# Altium PCB PCB_v3.PcbDoc (part 6 of 7) (continued)
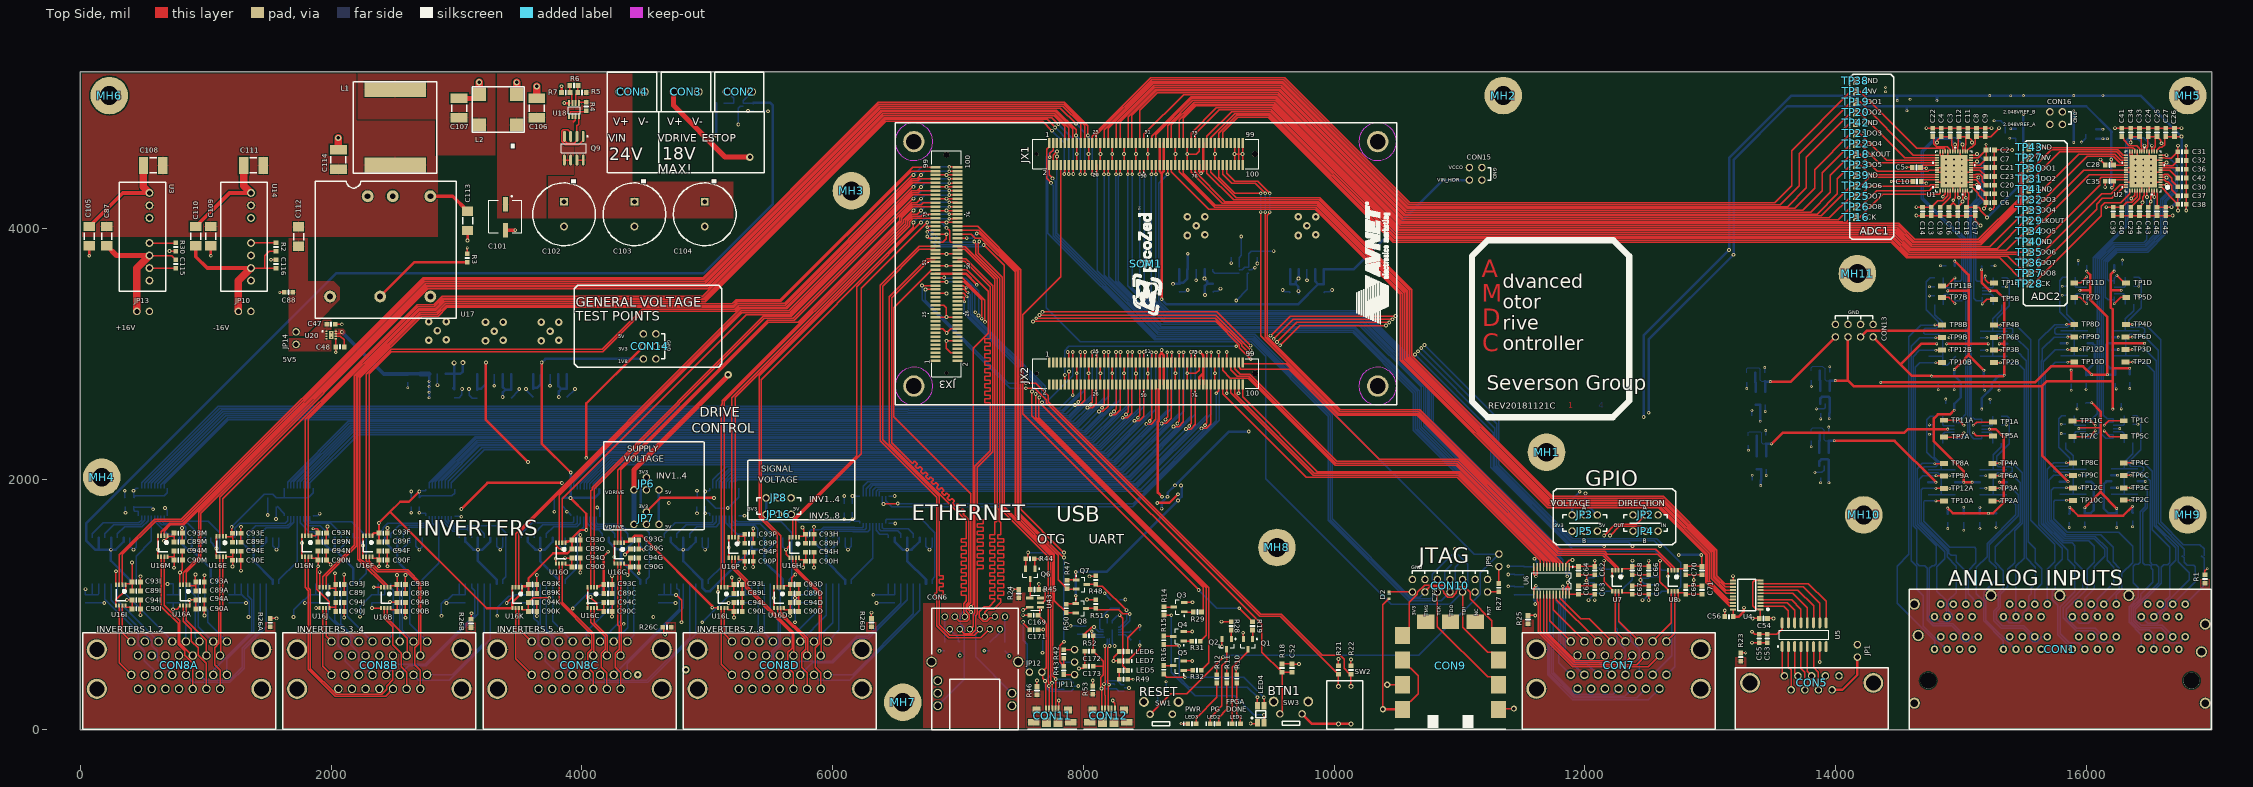
[diagram p0: Top Side view]
## Nets (pads, with @x,y where several pads share a name; then routed paths per layer and width w, separated by ;. In a path a pad name is that pad's centre, name@x,y a point inside that pad or via, vN(x,y) a via of type N, cw(c..) or ccw(c..) an arc to the next point about the centre after c; other vN are vias at no path point) (continued)
  Bottom Side w10: U13B.8@5199.16,1927.6 5199.16,1975.34 5233.92,2010.1 8366.67,2010.1 8858.26,2501.69 v1(8858.26,3015)
LV_R\S\T\1: SOM1.JX1-19 U16I.2 | length 9617.1
  Top Side w10: U16I.2@334.41,1157.87 334.41,1400.19 599.22,1665 811.81,1665 2740.63,3593.81 4972.3,3593.81 6368.37,4989.89 7843.31,4989.89 8010.12,4823.08 SOM1.JX1-19@8010.12,4680
LV_R\S\T\2: SOM1.JX1-24 U16I.3 | length 10013.1
  Top Side w10: U16I.3@308.82,1157.87 308.82,1395.81 593.01,1680 805.6,1680 2734.41,3608.81 4966.09,3608.81 6362.16,5004.89 7849.53,5004.89 8036.12,4818.29 v1(8036.12,4741) ; v1(8073.11,4432.37) SOM1.JX1-24@8073.11,4506.77
  Bottom Side w10: v1(8036.12,4741) 8073.11,4704.01 v1(8073.11,4432.37)
LV_R\S\T\3: SOM1.JX3-99 U16J.2 | length 7095.9
  Top Side w10: U16J.2@1959.41,1137.87 1959.41,1226.05 2198.23,1464.87 2198.23,2819.65 2709.95,3331.37 2841.16,3331.37 2909.79,3400 5199.29,3400 5232.29,3433 5581.79,3433 6638.33,4489.54 SOM1.JX3-99@6821.69,4489.54
LV_R\S\T\4: SOM1.JX1-10 U16J.3 | length 8688.8
  Top Side w10: U16J.3@1933.82,1137.87 1933.82,1221.68 2183.23,1471.09 2183.23,2825.86 2703.74,3346.37 2834.95,3346.37 2903.58,3415 4984.41,3415 6424.29,4854.89 7675.11,4854.89 v1(7750,4780) ; v1(7848.13,4435) 7850.39,4437.25 7850.39,4504.52 SOM1.JX1-10@7852.64,4506.77
  Bottom Side w10: v1(7750,4780) 7848.13,4681.87 v1(7848.13,4435)
LV_R\S\T\5: SOM1.JX3-94 U16K.2 | length 5102.6
  Top Side w10: U16K.2@3496.48,1137.87 3496.48,1569.91 5269.57,3343 5651.44,3343 6640.5,4332.06 v1(6645,4332.06) ; v1(6930,4397.3) 6931.13,4396.17 6993.8,4396.17 SOM1.JX3-94@6994.92,4395.05
  Bottom Side w10: v1(6645,4332.06) 6710.24,4397.3 v1(6930,4397.3)
LV_R\S\T\6: SOM1.JX3-91 U16K.3 | length 4937.4
  Top Side w10: U16K.3@3470.89,1137.87 3470.89,1565.53 5263.36,3358 5635.58,3358 6641.14,4363.56 SOM1.JX3-91@6821.69,4363.56
LV_R\S\T\7: SOM1.JX3-82 U16L.2 | length 4010.7
  Top Side w10: U16L.2@5136.09,1137.87 5136.09,2620.77 6566,4050.69 6566,4068.59 6640.5,4143.09 v1(6645,4143.09) ; v1(6930,4208.32) 6931.13,4207.2 6993.8,4207.2 SOM1.JX3-82@6994.92,4206.07
  Bottom Side w10: v1(6645,4143.09) 6710.24,4208.32 v1(6930,4208.32)
LV_R\S\T\8: SOM1.JX3-79 U16L.3 | length 3851.3
  Top Side w10: U16L.3@5110.5,1137.87 5110.5,2590.5 5121.09,2601.09 5121.09,2626.99 6551,4056.9 6551,4084.44 6641.14,4174.58 SOM1.JX3-79@6821.69,4174.58
LV_RDY1: SOM1.JX1-9 U16E.2 | length 8449.5
  Top Side w10: U16E.2@1136.18,1545.77 1136.18,1842.45 2685.1,3391.37 2816.31,3391.37 2884.94,3460 4965.77,3460 6405.65,4899.89 7767.29,4899.89 7852.64,4814.54 SOM1.JX1-9@7852.64,4680
LV_RDY2: SOM1.JX1-11 U16E.3 | length 8521.9
  Top Side w10: U16E.3@1110.59,1545.77 1110.59,1857.71 2771.69,3518.81 5003.36,3518.81 6399.44,4914.89 7773.51,4914.89 7884.13,4804.26 SOM1.JX1-11@7884.13,4680
LV_RDY3: SOM1.JX3-93 U16F.2 | length 6454.1
  Top Side w10: U16F.2@2304.41,1547.87 2304.41,2840.97 2480,3016.56 4166.56,3016.56 4490,3340 5224.14,3340 5257.14,3373 5629.37,3373 6636.92,4380.56 6680.22,4380.56 6694.72,4395.05 SOM1.JX3-93@6821.69,4395.05
LV_RDY4: SOM1.JX3-98 U16F.3 | length 6676.4
  Top Side w10: U16F.3@2278.82,1547.87 2278.82,2836.6 2480,3037.78 4162.78,3037.78 4480,3355 5217.93,3355 5250.93,3388 5623.16,3388 6630.71,4395.56 6674.01,4395.56 v1(6705,4426.54) ; v1(6930,4455.79) 6931.13,4456.91 6993.8,4456.91 SOM1.JX3-98@6994.92,4458.04
  Bottom Side w10: v1(6705,4426.54) 6734.24,4455.79 v1(6930,4455.79)
LV_RDY5: SOM1.JX3-81 U16G.2 | length 3993.1
  Top Side w10: U16G.2@4309.94,1492.87 4309.94,2075.71 5487.23,3253 5725.89,3253 6536,4063.11 6536,4090.65 6635.93,4190.58 6706.06,4190.58 6721.56,4206.07 SOM1.JX3-81@6821.69,4206.07
LV_RDY6: SOM1.JX3-86 U16G.3 | length 4199.4
  Top Side w10: U16G.3@4284.35,1492.87 4284.35,2071.34 5481.02,3268 5692.13,3268 6629.71,4205.58 6673.01,4205.58 v1(6705,4237.57) ; v1(6930,4266.81) 6931.13,4267.94 6993.8,4267.94 SOM1.JX3-86@6994.92,4269.06
  Bottom Side w10: v1(6705,4237.57) 6734.24,4266.81 v1(6930,4266.81)
LV_RDY7: SOM1.JX3-62 U16H.2 | length 3296.3
  Top Side w10: U16H.2@5706.94,1537.43 5706.94,1679.16 6230.15,2202.37 6230.15,3523.74 v1(6755,4048.59) ; v1(6908.31,4005) 6933.31,3980 6933.31,3901.69 6943.89,3891.11 SOM1.JX3-62@6994.92,3891.11
  Bottom Side w10: v1(6755,4048.59) 6864.71,4048.59 v1(6908.31,4005)
LV_RDY8: SOM1.JX3-74 U16H.3 | length 3238.1
  Top Side w10: U16H.3@5681.35,1537.43 5681.35,1674.79 6192.9,2186.33 6192.9,3536.49 v1(6705,4048.59) ; v1(6930,4077.84) 6931.13,4078.96 6993.8,4078.96 SOM1.JX3-74@6994.92,4080.09
  Bottom Side w10: v1(6705,4048.59) 6734.24,4077.84 v1(6930,4077.84)
LV_VCCIO_EN: SOM1.JX2-10 U34.3 | length 2281.8
  Top Side w10: SOM1.JX2-10@7852.64,2756.77 v1(7852.64,2831.54)
  Ground Layer w10: v1(9220,3060) v1(9220,3425)
  Bottom Side w10: v1(7852.64,2831.54) 7850,2834.17 7850,3025.36 7884.64,3060 v1(9220,3060) ; v1(9220,3425) 9308.78,3513.78 9308.78,3638.07 9311.65,3640.94 U34.3@9320.51,3640.94
NetC19_1: C19.1 U1.45 | length 164.4
  Top Side w10: C19.1@14835,4170 14915.47,4250.47 U1.45@14915.47,4301.04
NetC20_1: C20.1 U1.6 | length 180.1
  Top Side w10: U1.6@15081,4427.01 15118.02,4427.01 15123.34,4432.32 15150.36,4432.32 15169.09,4413.58 15169.09,4377.44 C20.1@15201.54,4345
NetC21_1: C21.1 U1.9 | length 120.7
  Top Side w10: U1.9@15081,4486.06 15201.06,4486.06 C21.1@15201.54,4486.54
NetC22_1: C22.1 U1.22 | length 228.6
  Top Side w10: C22.1@14775,4733.07 14785,4723.07 14785,4674.64 14806.61,4653.04 14890.93,4653.04 14914.47,4629.49 14914.47,4613.04 U1.22@14915.47,4612.04
NetC23_1: C23.1 U1.8 | length 141.8
  Top Side w10: U1.8@15081,4466.38 15150.16,4466.38 C23.1@15201.54,4415
NetC29_1: C29.1 U2.45 | length 160.2
  Top Side w10: C29.1@16355,4170 16425.47,4240.47 U2.45@16425.47,4301.04
NetC30_1: C30.1 U2.6 | length 195.5
  Top Side w10: U2.6@16591,4427.01 16623.02,4427.01 16628.34,4432.32 16650.36,4432.32 16684.1,4398.58 16684.1,4379.48 C30.1@16731.54,4332.04
NetC36_1: C36.1 U2.9 | length 146.3
  Top Side w10: U2.9@16591,4486.06 16591.63,4485.43 16718.14,4485.43 C36.1@16731.54,4472.04
NetC41_1: C41.1 U2.22 | length 213.4
  Top Side w10: C41.1@16285,4733.07 16298.7,4719.37 16298.7,4705.94 16344.64,4660 16403.04,4660 16425.47,4637.56 U2.22@16425.47,4612.04
NetC42_1: C42.1 U2.8 | length 167.2
  Top Side w10: U2.8@16591,4466.38 16667.19,4466.38 C42.1@16731.54,4402.04
NetC48_2: C48.2 U20.6 | length 133.8
  Top Side w10: U20.6@2037.4,3140.16 2073.65,3140.16 2103.46,3110.34 C48.2@2103.46,3055
NetC57_2: C57.2 CON6.12 | length 204.1
  Bottom Side w10: C57.2@6895,698.9 CON6.12@6895,903.03
NetC58_2: C58.2 CON6.6 | length 137.2
  Bottom Side w10: CON6.6@6935.08,803.03 7001.3,736.81 7001.3,712.6 C58.2@7015,698.9
NetC59_2: C59.2 CON6.1 | length 137.3
  Bottom Side w10: C59.2@7255,698.9 7327.35,771.24 7327.35,795.38 CON6.1@7335,803.03
NetC60_2: C60.2 CON6.7 | length 204.1
  Bottom Side w10: C60.2@7375,698.9 CON6.7@7375,903.03
NetC87_2: C87.2 C115.2 JP13.2 U3.6 | length 1082.4
  Top Side w10: U3.6@550,3783.81 726.93,3783.81 C115.2@760,3750.74
  Top Side w40: C87.2@210,3861.05 287.23,3783.81 U3.6@550,3783.81
  Top Side w60: JP13.2@450,3338.53 450,3683.81 U3.6@550,3783.81
NetC101_1: C101.1 C106.2 L2.1 Q9.5 Q9.6 U18.7 | length 105.5
  Top Side w10: Q9.5@3860.67,4545.64 Q9.6@3910.67,4545.64 ; 3931.4,4849.04 3946.76,4864.41 3946.76,4894.1 U18.7@3949.63,4896.97
NetC107_2: C107.2 L1.1 L2.4
NetC110_2: C110.2 C116.1 JP10.1 R2.1 U14.7 | length 1355.1
  Top Side w10: U14.7@1360,3683.81 1470,3683.81 ; C116.1@1560,3683.81 1470,3683.81 ; R2.1@1560,3818.53 1504.71,3818.53 1470,3783.81 1470,3683.81
  Top Side w30: C110.2@920,3861.05 920,3774.65 1010.83,3683.81 U14.7@1360,3683.81
  Top Side w60: JP10.1@1260,3338.53 1260,3583.81 U14.7@1360,3683.81
NetC170_2: C170.2 C171.2 JP12.2 | length 506
  Top Side w10: v1(7520,861.97) 7523.83,858.14 7523.83,847.71 C171.2@7571.54,800
  Bottom Side w10: v1(7520,861.97) C170.2@7520.04,715 7552.54,682.5 7552.54,490.99 7570,473.53 JP12.2@7570,460
NetC176_2: C176.2 R56.2 U44.9 | length 302.3
  Bottom Side w10: U44.9@8157.92,799.84 8157.01,800.75 8138.93,800.75 8130.2,809.48 8130.2,884.02 8204.01,957.83 8206.3,957.83 C176.2@8220,971.54 R56.2@8290,971.54
NetC181A_2: C181A.2 R57A.2 U46A.3 | length 162
  Bottom Side w10: U46A.3@15167.72,2424.9 15248.82,2424.9 C181A.2@15256.54,2432.62 R57A.2@15256.54,2502.62
NetC181B_2: C181B.2 R57B.2 U46B.3 | length 162
  Bottom Side w10: U46B.3@15171.72,3527.28 15252.82,3527.28 C181B.2@15260.54,3535 R57B.2@15260.54,3605
NetC181C_2: C181C.2 R57C.2 U46C.3 | length 162
  Bottom Side w10: U46C.3@16214.25,2429.54 16295.35,2429.54 C181C.2@16303.07,2437.26 R57C.2@16303.07,2507.26
NetC181D_2: C181D.2 R57D.2 U46D.3 | length 162
  Bottom Side w10: U46D.3@16223.82,3532.07 16304.92,3532.07 C181D.2@16312.64,3539.79 R57D.2@16312.64,3609.79
NetC182A_1: C182A.1 R58A.2 U46A.5 | length 165.9
  Bottom Side w10: U46A.5@15167.72,2373.72 15240.43,2373.72 C182A.1@15256.54,2357.62 R58A.2@15256.54,2287.22
NetC182B_1: C182B.1 R58B.2 U46B.5 | length 165.9
  Bottom Side w10: U46B.5@15171.72,3476.1 15244.43,3476.1 C182B.1@15260.54,3460 R58B.2@15260.54,3389.61
NetC182C_1: C182C.1 R58C.2 U46C.5 | length 165.9
  Bottom Side w10: U46C.5@16214.25,2378.36 16286.97,2378.36 C182C.1@16303.07,2362.26 R58C.2@16303.07,2291.86
NetC182D_1: C182D.1 R58D.2 U46D.5 | length 165.9
  Bottom Side w10: U46D.5@16223.82,3480.89 16296.54,3480.89 C182D.1@16312.64,3464.79 R58D.2@16312.64,3394.4
NetC185A_2: C185A.2 R59A.2 U46A.10 | length 170.3
  Bottom Side w10: R59A.2@14856.93,2287.22 C185A.2@14856.93,2359.31 14871.34,2373.72 U46A.10@14949.21,2373.72
NetC185B_2: C185B.2 R59B.2 U46B.10 | length 170.3
  Bottom Side w10: R59B.2@14860.93,3389.61 C185B.2@14860.93,3461.69 14875.34,3476.1 U46B.10@14953.21,3476.1
NetC185C_2: C185C.2 R59C.2 U46C.10 | length 170.3
  Bottom Side w10: R59C.2@15903.46,2291.86 C185C.2@15903.46,2363.95 15917.87,2378.36 U46C.10@15995.75,2378.36
NetC185D_2: C185D.2 R59D.2 U46D.10 | length 170.3
  Bottom Side w10: R59D.2@15913.03,3394.4 C185D.2@15913.03,3466.48 15927.44,3480.89 U46D.10@16005.31,3480.89
NetC186A_1: C186A.1 R60A.2 U46A.12 | length 165.5
  Bottom Side w10: R60A.2@14856.93,2502.62 C186A.1@14856.93,2432.62 14864.65,2424.9 U46A.12@14949.21,2424.9
NetC186B_1: C186B.1 R60B.2 U46B.12 | length 165.5
  Bottom Side w10: R60B.2@14860.93,3605 C186B.1@14860.93,3535 14868.65,3527.28 U46B.12@14953.21,3527.28
NetC186C_1: C186C.1 R60C.2 U46C.12 | length 165.5
  Bottom Side w10: R60C.2@15903.46,2507.26 C186C.1@15903.46,2437.26 15911.18,2429.54 U46C.12@15995.75,2429.54
NetC186D_1: C186D.1 R60D.2 U46D.12 | length 165.5
  Bottom Side w10: R60D.2@15913.03,3609.79 C186D.1@15913.03,3539.79 15920.75,3532.07 U46D.12@16005.31,3532.07
NetCON2_1: CON2.1 D1.5 R13.2 | length 187.8
  Bottom Side w10: R13.2@5133.46,5000.59 D1.5@5210.78,5000.59 5210.78,5039.22 CON2.1@5160,5090
NetCON10_2: CON10.2 D2.C | length 186.1
  Top Side w10: D2.C@10440,1102.56 10441.28,1101.28 10623.72,1101.28 CON10.2@10625,1100
NetCON10_14: CON10.14 R27.2 | length 90.3
  Top Side w10: CON10.14@11225,1100 11314.21,1100 R27.2@11315,1100.79
NetJP2_2: JP2.2 U6.2 | length 821.8
  Top Side w10: U6.2@11850.16,1300.24 11850.16,1325.83 11859.84,1335.51 11859.84,1335.87 11875.39,1351.42 11898.83,1351.42 v1(11902.66,1355.25) ; v1(12155,1550) 12245,1640 12410,1640 JP2.2@12485,1715
  Ground Layer w10: v1(11902.66,1355.25) 11960.25,1355.25 v1(12155,1550)
NetJP4_2: JP4.2 U9.2 | length 1111
  Top Side w10: v1(12201.63,1550) 12276.63,1625 12445,1625 JP4.2@12485,1585
  Ground Layer w10: v1(11600,1365) 11634.75,1330.25 11981.88,1330.25 v1(12201.63,1550)
  Bottom Side w10: v1(11600,1365) 11600,1360.45 11618.94,1341.51 11618.94,1301.14 U9.2@11619.84,1300.24
NetJP9_2: JP9.2 R27.1 | length 135.2
  Top Side w10: R27.1@11315,1167.72 JP9.2@11315,1302.89
NetJP11_1: JP11.1 R42.2 | length 85.6
  Top Side w10: R42.2@7845,638.46 7846.54,640 JP11.1@7930,640
NetJP11_3: JP11.3 R43.2 | length 85.6
  Top Side w10: R43.2@7845,441.54 7846.54,440 JP11.3@7930,440
NetLED1_A: LED1.A R10.1 | length 335.9
  Top Side w10: R10.1@9225,374.13 9225,125 9253.46,96.54 LED1.A@9253.46,50
NetLED1_C: LED1.C Q1.3 | length 645
  Top Side w10: LED1.C@9186.54,50 9186.54,501.58 9313.74,628.78 Q1.3@9313.74,642.32
NetLED2_A: LED2.A R11.1 | length 351.7
  Top Side w10: LED2.A@9078.46,50 9078.46,96.12 9145,162.65 R11.1@9145,374.13
NetLED2_C: LED2.C Q2.3 | length 647.1
  Top Side w10: LED2.C@9011.54,50 9011.54,97.36 9105,190.83 9105,510 9143.74,548.74 Q2.3@9143.74,642.32
NetLED3_A: LED3.A R12.1 | length 392.6
  Top Side w10: LED3.A@8899.62,50 8899.62,94.81 9065,260.2 R12.1@9065,374.13
NetLED4_2: LED4.2 R14.2 | length 1457.1
  Top Side w10: R14.2@8643.62,916.34 8645.16,914.8 v1(8702.28,914.8) ; v1(9440,120) 9442.86,117.14 LED4.2@9442.86,56.1
  Bottom Side w10: v1(8702.28,914.8) 8702.28,461.15 8891.03,272.4 9207.6,272.4 9360,120 v1(9440,120)
NetLED4_3: LED4.3 R15.2 | length 1135.7
  Top Side w10: R15.2@8642.13,679.8 8651.52,670.42 v1(8765,670.42) ; LED4.3@9387.74,193.9 9387.74,257.74 v1(9390,260)
  Bottom Side w10: v1(8765,670.42) 8765,419.64 8842.91,341.74 9308.26,341.74 v1(9390,260)
NetLED4_4: LED4.4 R16.2 | length 943.1
  Top Side w10: R16.2@8640.6,446.34 8666.94,420 v1(8810,420) ; v1(9440,258.72) 9442.86,255.86 LED4.4@9442.86,193.9
  Bottom Side w10: v1(8810,420) 9278.72,420 v1(9440,258.72)
NetLED5_A: LED5.A R49.1 | length 64.5
  Top Side w10: LED5.A@8286.54,473.53 8286.54,421.21 R49.1@8295.15,412.59
NetLED5_C: LED5.C U44.14 | length 566.1
  Top Side w10: v1(8290,915) 8315.24,889.76 8315.24,511.76 LED5.C@8353.46,473.53
  Bottom Side w10: U44.14@8228.78,850.83 8229.69,851.74 8229.69,869.82 8271.04,911.17 8286.17,911.17 v1(8290,915)
NetLED6_C: LED6.C R54.1 | length 285.6
  Top Side w10: LED6.C@8353.46,625 8353.46,733.46 v1(8450,830)
  Bottom Side w10: R54.1@8448.46,790 8450,791.54 v1(8450,830)
NetLED7_C: LED7.C R55.1 | length 205.6
  Top Side w10: LED7.C@8353.46,550 8450,646.54 v1(8450,675)
  Bottom Side w10: R55.1@8448.46,715 8450,713.46 v1(8450,675)
NetQ1_1: Q1.1 R19.1 | length 72
  Top Side w10: R19.1@9350,796.54 9351.14,795.39 Q1.1@9351.14,725
NetQ2_1: Q2.1 R28.1 | length 72.2
  Top Side w10: R28.1@9179.65,796.54 9179.65,726.5 Q2.1@9181.14,725
NetQ3_1: Q3.1 R29.1 | length 72.4
  Top Side w10: Q3.1@8804.96,942.4 8807.01,940.36 R29.1@8876.54,940.36
NetQ3_3: Q3.3 R14.1 | length 80.1
  Top Side w10: R14.1@8643.62,983.27 8647.09,979.8 Q3.3@8722.28,979.8
NetQ4_1: Q4.1 R31.1 | length 65.6
  Top Side w10: Q4.1@8800.6,708.42 8800.8,708.22 R31.1@8866.15,708.22
NetQ4_3: Q4.3 R15.1 | length 78.3
  Top Side w10: R15.1@8640.6,748.27 8643.05,745.82 Q4.3@8717.92,745.82
NetQ5_1: Q5.1 R32.1 | length 72.3
  Top Side w10: Q5.1@8800.6,475 R32.1@8872.87,475
NetQ5_3: Q5.3 R16.1 | length 77.7
  Top Side w10: R16.1@8640.6,513.27 8641.46,512.4 Q5.3@8717.92,512.4
NetQ6_3: Q6.3 R45.1 U43.4 | length 152.9
  Top Side w10: U43.4@7572.68,1052.4 7576.54,1056.26 Q6.3@7576.54,1203.66
NetQ9_1: Q9.1 Q9.3 | length 428.8
  Top Side w10: Q9.3@3910.67,4734.61 3910.67,4766.11 3888.86,4787.92 3851.63,4787.92 3838.86,4775.14 3838.86,4694.08 3866.63,4666.31 3973.86,4666.31 4010.67,4703.12 Q9.1@4010.67,4734.61
NetQ9_2: Q9.2 Q9.4 U18.8 | length 349.5
  Top Side w10: Q9.4@3860.67,4734.61 3860.67,4703.12 3882.48,4681.31 3938.86,4681.31 3960.67,4703.12 3960.67,4818.03 3975.23,4832.59 U18.8@3975.23,4896.97
NetR2_2: R2.2 U14.5 | length 203
  Top Side w10: U14.5@1360,3883.81 1361.64,3885.46 R2.2@1560,3885.46 R2.2@1558.36,3883.81
NetR3_2: R3.2 U17.5 | length 807.7
  Top Side w20: U17.5@2391.01,3457.17 2665.5,3731.67 R3.2@3085,3731.67
NetR4_1: R4.1 U18.5 | length 165.7
  Top Side w10: U18.5@3898.45,4896.97 3898.45,4913.12 3906.17,4920.83 3906.17,4925.13 3912.03,4930.99 4026.79,4930.99 R4.1@4034.81,4939.01
NetR5_1: R5.1 R6.2 U18.2 | length 148.2
  Top Side w10: U18.2@3949.63,5000.12 3949.63,5066.88 R5.1@3967.88,5085.12 3967.88,5138.49 R6.2@3969.51,5140.12
NetR6_1: R6.1 R7.2 U18.3 | length 148.9
  Top Side w10: R6.1@3902.58,5140.12 3904.35,5138.35 R7.2@3904.35,5085.12 3918.05,5071.42 3918.05,5022.26 3924.04,5016.27 U18.3@3924.04,5000.12
NetR30_2: R30.2 U3.5 | length 211.4
  Top Side w10: U3.5@550,3883.81 759.06,3883.81 R30.2@760.71,3885.46
NetR38A_1: R38A.1 R39A.2 U41A.4 | length 159.7
  Bottom Side w20: U41A.4@13872.27,2210.71 13872.27,2304.8 R39A.2@13873.13,2305.67 R38A.1@13873.13,2370
NetR38B_1: R38B.1 R39B.2 U41B.4 | length 158.2
  Bottom Side w20: R38B.1@13875.2,2863.06 R39B.2@13875.2,2789.06 13879.33,2784.92 U41B.4@13879.33,2706.57
NetR40A_1: R40A.1 R41A.2 U42A.4 | length 163.8
  Bottom Side w20: U42A.4@13372.27,2181.57 13372.27,2269.13 R40A.1@13373.13,2270 R41A.2@13373.13,2345
NetR40B_1: R40B.1 R41B.2 U42B.4 | length 152.1
  Bottom Side w20: R41B.2@13360.2,2848.94 R40B.1@13360.2,2775 13364.33,2770.87 U42B.4@13364.33,2698.56
NetR52_1: R52.1 U44.8 | length 207.9
  Top Side w10: R52.1@8011.54,750 8003.5,758.03 8065.47,820 v1(8085,820)
  Bottom Side w10: v1(8085,820) 8123.94,781.06 8157.01,781.06 U44.8@8157.92,780.16
NetR54_2: R54.2 U44.19 | length 105.8
  Bottom Side w10: U44.19@8279.78,780.16 8371.69,780.16 R54.2@8381.54,790
NetR55_2: R55.2 U44.20 | length 120.6
  Bottom Side w10: U44.20@8279.78,760.47 8336.06,760.47 R55.2@8381.54,715
NetU12A_1: U12A.1 U13A.19 | length 528.5
  Bottom Side w10: U12A.1@5799.98,1532.09 5799.98,1563.58 5831.4,1595 5910.19,1595 5930.58,1615.39 6171.44,1615.39 6174.95,1611.89 6236.36,1611.89 6243.83,1619.37 U13A.19@6243.83,1646.5
NetU12A_3: U12A.3 U13A.18 | length 459.9
  Bottom Side w10: U12A.3@5899.98,1532.09 5899.98,1563.58 5936.8,1600.39 6165.23,1600.39 6168.74,1596.89 6256.89,1596.89 6269.42,1609.42 U13A.18@6269.42,1646.5
NetU12A_5: U12A.5 U13A.17 | length 392.2
  Bottom Side w10: U12A.5@5999.98,1532.09 5999.98,1563.58 6021.8,1585.39 6159.02,1585.39 6162.52,1581.89 6278.89,1581.89 6295.02,1598.02 U13A.17@6295.02,1646.5
NetU12A_9: U12A.9 U13A.16 | length 552
  Bottom Side w10: U12A.9@6149.98,1165.16 6149.98,1196.65 6320.61,1367.28 U13A.16@6320.61,1646.5
NetU12B_1: U12B.1 U13B.19 | length 507
  Bottom Side w10: U12B.1@4658.45,1532.09 4658.45,1563.58 4745.97,1651.1 5036.8,1651.1 5045.61,1659.91 U13B.19@5045.61,1708.35
NetU12B_3: U12B.3 U13B.18 | length 431.9
  Bottom Side w10: U12B.3@4758.45,1532.09 4758.45,1563.58 4830.97,1636.1 5046.18,1636.1 5071.2,1661.13 U13B.18@5071.2,1708.35
NetU12B_5: U12B.5 U13B.17 | length 365.9
  Bottom Side w10: U12B.5@4858.45,1532.09 4858.45,1563.58 4915.97,1621.1 5071.1,1621.1 5096.8,1646.8 U13B.17@5096.8,1708.35
NetU12B_9: U12B.9 U13B.16 | length 590.4
  Bottom Side w10: U12B.9@5008.45,1165.16 5008.45,1196.65 5122.39,1310.59 U13B.16@5122.39,1708.35
NetU12C_1: U12C.1 U13C.19 | length 532.6
  Bottom Side w10: U12C.1@3516.91,1532.09 3516.91,1563.58 3603.93,1650.6 3927.13,1650.6 3936.54,1660 U13C.19@3936.54,1701.5
NetU12C_3: U12C.3 U13C.18 | length 471.5
  Bottom Side w10: U12C.3@3618.84,1532.09 3618.84,1565.51 3688.93,1635.6 3948.87,1635.6 3962.13,1648.86 U13C.18@3962.13,1701.5 U13C.18@3962.13,1709.09
NetU12C_5: U12C.5 U13C.17 | length 390.9
  Bottom Side w10: U12C.5@3716.91,1532.09 3716.91,1563.58 3773.93,1620.6 3960.6,1620.6 3987.72,1647.72 U13C.17@3987.72,1701.5
NetU12C_9: U12C.9 U13C.16 | length 597
  Bottom Side w10: U12C.9@3866.91,1165.16 3866.91,1196.65 3962.48,1292.22 3962.48,1565.36 4013.31,1616.18 U13C.16@4013.31,1701.5
NetU12D_1: U12D.1 U13D.19 | length 518.9
  Bottom Side w10: U12D.1@2375.38,1532.09 2375.38,1563.58 2414.21,1602.42 2414.21,1612.64 2449.5,1647.93 2757.93,1647.93 2780.35,1670.35 U13D.19@2780.35,1702.6
NetU12D_3: U12D.3 U13D.18 | length 450.6
  Bottom Side w10: U12D.3@2475.38,1532.09 2475.38,1563.58 2543.59,1631.8 2788,1631.8 2805.94,1649.75 U13D.18@2805.94,1702.6
NetU12D_5: U12D.5 U13D.17 | length 374.8
  Bottom Side w10: U12D.5@2575.38,1532.09 2575.38,1563.58 2628.59,1616.8 2796.2,1616.8 2831.54,1652.13 U13D.17@2831.54,1702.6
NetU12D_9: U12D.9 U13D.16 | length 592
  Bottom Side w10: U12D.9@2725.38,1165.16 2725.38,1196.65 2857.13,1328.4 U13D.16@2857.13,1702.6
NetU12E_1: U12E.1 U13E.19 | length 554.8
  Bottom Side w10: U12E.1@1232.7,1532.09 1232.7,1607.58 1271.82,1646.71 1631.71,1646.71 1651.54,1666.54 U13E.19@1651.54,1702.6
NetU12E_3: U12E.3 U13E.18 | length 461.7
  Bottom Side w10: U12E.3@1333.84,1532.09 1333.84,1564.72 1396.88,1627.76 1651.16,1627.76 1677.13,1653.72 U13E.18@1677.13,1702.6
NetU12E_5: U12E.5 U13E.17 | length 384.9
  Bottom Side w10: U12E.5@1433.84,1532.09 1433.84,1564.72 1481.88,1612.76 1657.76,1612.76 1702.72,1657.72 U13E.17@1702.72,1702.6
NetU12E_9: U12E.9 U13E.16 | length 597.8
  Bottom Side w10: U12E.9@1582.7,1165.16 1582.7,1196.65 1728.31,1342.26 U13E.16@1728.31,1702.6
NetU12F_1: U12F.1 U13F.19 | length 506.4
  Bottom Side w10: U12F.1@94.63,1532.09 94.63,1563.58 181.65,1650.6 465.6,1650.6 488.31,1673.31 U13F.19@488.31,1709.09
NetU12F_3: U12F.3 U13F.18 | length 431.7
  Bottom Side w10: U12F.3@194.63,1532.09 194.63,1563.58 266.65,1635.6 475.6,1635.6 513.9,1673.9 U13F.18@513.9,1709.09
NetU12F_5: U12F.5 U13F.17 | length 359.8
  Bottom Side w10: U12F.5@294.63,1532.09 294.63,1563.58 351.65,1620.6 490.6,1620.6 539.49,1669.49 U13F.17@539.49,1709.09
NetU12F_9: U12F.9 U13F.16 | length 593.8
  Bottom Side w10: U12F.9@444.63,1165.16 444.63,1386.62 565.08,1507.07 U13F.16@565.08,1709.09
NetU13A_12: U13A.12 U15A.9 | length 884.7
  Bottom Side w10: U13A.12@6422.97,1646.5 6422.97,1673.34 6430.73,1681.1 6709.85,1681.1 6816.8,1574.15 6816.8,1220 6794.98,1198.19 U15A.9@6794.98,1166.69
NetU13A_13: U13A.13 U15A.5 | length 331.9
  Bottom Side w10: U13A.13@6397.38,1646.5 6397.38,1613.86 6406.24,1605 6605.1,1605 6644.98,1565.12 U15A.5@6644.98,1533.62
NetU13A_14: U13A.14 U15A.3 | length 265.2
  Bottom Side w10: U13A.14@6371.79,1646.5 6371.79,1600.75 6382.53,1590 6520.1,1590 6544.98,1565.12 U15A.3@6544.98,1533.62
NetU13A_15: U13A.15 U15A.1 | length 189.4
  Bottom Side w10: U13A.15@6346.2,1646.5 6346.2,1591.86 6377.94,1560.12 6438.69,1560.12 6444.98,1553.83 U15A.1@6444.98,1533.62
NetU13B_12: U13B.12 U15B.9 | length 942
  Bottom Side w10: U13B.12@5224.75,1708.35 5224.75,1675.25 5239.42,1660.58 5588.83,1660.58 5675.26,1574.15 5675.26,1220 5653.45,1198.19 U15B.9@5653.45,1166.69
NetU13B_13: U13B.13 U15B.5 | length 419.4
  Bottom Side w10: U13B.13@5199.16,1708.35 5199.16,1666.97 5220.54,1645.58 5422.98,1645.58 5503.45,1565.12 U15B.5@5503.45,1533.62
NetU13B_14: U13B.14 U15B.3 | length 379
  Bottom Side w10: U13B.14@5173.57,1708.35 5173.57,1647.93 5190.91,1630.58 5377,1630.58 5403.45,1604.14 U15B.3@5403.45,1533.62
NetU13B_15: U13B.15 U15B.1 | length 272.5
  Bottom Side w10: U13B.15@5147.98,1708.35 5147.98,1652.31 5240.16,1560.12 5297.16,1560.12 5303.45,1553.83 U15B.1@5303.45,1533.62
NetU13C_12: U13C.12 U15C.9 | length 918.8
  Bottom Side w10: U13C.12@4115.67,1701.5 4115.67,1650.93 4126.6,1640 4310.17,1640 4350.17,1600 4509.81,1600 4535.65,1574.15 4535.65,1220 4513.84,1198.19 U15C.9@4513.84,1166.69
NetU13C_13: U13C.13 U15C.5 | length 389
  Bottom Side w10: U13C.13@4090.08,1701.5 4090.08,1654.92 4120,1625 4303.96,1625 4363.84,1565.12 U15C.5@4363.84,1533.62
NetU13C_14: U13C.14 U15C.3 | length 312.1
  Bottom Side w10: U13C.14@4064.49,1701.5 4064.49,1659.3 4113.79,1610 4218.96,1610 4263.84,1565.12 U15C.3@4263.84,1533.62
NetU13C_15: U13C.15 U15C.1 | length 241.8
  Bottom Side w10: U13C.15@4038.9,1701.5 4038.9,1652.2 4096.1,1595 4133.96,1595 4163.84,1565.12 U15C.1@4163.84,1533.62
NetU13D_12: U13D.12 U15D.9 | length 921.6
  Bottom Side w10: U13D.12@2959.49,1702.6 2959.49,1669.74 3000.54,1628.69 3337.65,1628.69 3392.19,1574.15 3392.19,1220 3370.38,1198.19 U15D.9@3370.38,1166.69
NetU13D_13: U13D.13 U15D.5 | length 393
  Bottom Side w10: U13D.13@2933.9,1702.6 2933.9,1671.7 2991.91,1613.69 3171.81,1613.69 3220.38,1565.12 U15D.5@3220.38,1533.62
NetU13D_14: U13D.14 U15D.3 | length 319.4
  Bottom Side w10: U13D.14@2908.31,1702.6 2908.31,1670.38 2980,1598.69 3086.81,1598.69 3120.38,1565.12 U15D.3@3120.38,1533.62
NetU13D_15: U13D.15 U15D.1 | length 243.6
  Bottom Side w10: U13D.15@2882.72,1702.6 2882.72,1671.93 2970.96,1583.69 3001.03,1583.69 3020.38,1564.34 U15D.1@3020.38,1533.62
NetU13E_12: U13E.12 U15E.9 | length 931.6
  Bottom Side w10: U13E.12@1830.67,1702.6 1830.67,1669.73 1838.8,1661.6 2162.07,1661.6 2278.23,1545.44 2278.23,1248.72 2227.7,1198.19 U15E.9@2227.7,1166.69
NetU13E_13: U13E.13 U15E.5 | length 383
  Bottom Side w10: U13E.13@1805.08,1702.6 1805.08,1666.52 1815.67,1655.93 1815.67,1655.39 1824.46,1646.6 1996.22,1646.6 2078.84,1563.98 U15E.5@2078.84,1533.62
NetU13E_14: U13E.14 U15E.3 | length 307.3
  Bottom Side w10: U13E.14@1779.49,1702.6 1779.49,1668.21 1818.12,1629.58 1913.24,1629.58 1978.84,1563.98 U15E.3@1978.84,1533.62
NetU13E_15: U13E.15 U15E.1 | length 240.3
  Bottom Side w10: U13E.15@1753.9,1702.6 1753.9,1651.1 1825.42,1579.58 1859.55,1579.58 1877.7,1561.43 U15E.1@1877.7,1533.62
NetU13F_12: U13F.12 U15F.9 | length 937.8
  Bottom Side w10: U13F.12@667.44,1709.09 667.44,1672.56 675,1665 1020.59,1665 1111.44,1574.15 1111.44,1220 1089.63,1198.19 U15F.9@1089.63,1166.69
NetU13F_13: U13F.13 U15F.5 | length 427.5
  Bottom Side w10: U13F.13@641.85,1709.09 641.85,1673.15 665,1650 854.75,1650 940.54,1564.21 U15F.5@940.54,1516.5
NetU13F_14: U13F.14 U15F.3 | length 385.3
  Bottom Side w10: U13F.14@616.26,1709.09 616.26,1668.74 650,1635 820.36,1635 839.63,1615.73 839.63,1517.4 U15F.3@840.54,1516.5
NetU13F_15: U13F.15 U15F.1 | length 259
  Bottom Side w10: U13F.15@590.67,1709.09 590.67,1665.6 696.15,1560.12 733.34,1560.12 739.63,1553.83 U15F.1@739.63,1533.62
OUTA: U4.3 U5.14 | length 397.4
  Top Side w10: U4.3@13401.9,1013.23 13614.77,1013.23 13675,953 U5.14@13675,853.67
OUTB: U4.6 U5.12 | length 540.8
  Top Side w10: U4.6@13401.9,1090 13657.87,1090 13775,972.87 U5.12@13775,853.67
OUTZ: U4.8 U5.10 | length 684.3
  Top Side w10: U4.8@13401.9,1141.18 13744.79,1141.18 13875,1010.97 U5.10@13875,853.67
R\S\T\1: CON8A.8A U16I.7 | length 316.3
  Top Side w10: U16I.7@334.41,992.11 334.41,775.59 CON8A.8A@405,705
R\S\T\2: CON8A.8B U16I.6 | length 592.9
  Top Side w10: U16I.6@308.82,992.11 308.82,535.18 CON8A.8B@405,439